# Altium PCB iMX53_BB_PCB_V1I2.PcbDoc (part 2 of 9)
Units mm, origin at the board's own origin, x right, y up, seen from the top; angles counter-clockwise.
Board outline 165 x 100.5 mm, 6 copper layers (Top, GND, SignalH, SignalV, Power, Bottom); 582 components, 590 nets, 2473 pads, 1817 vias.
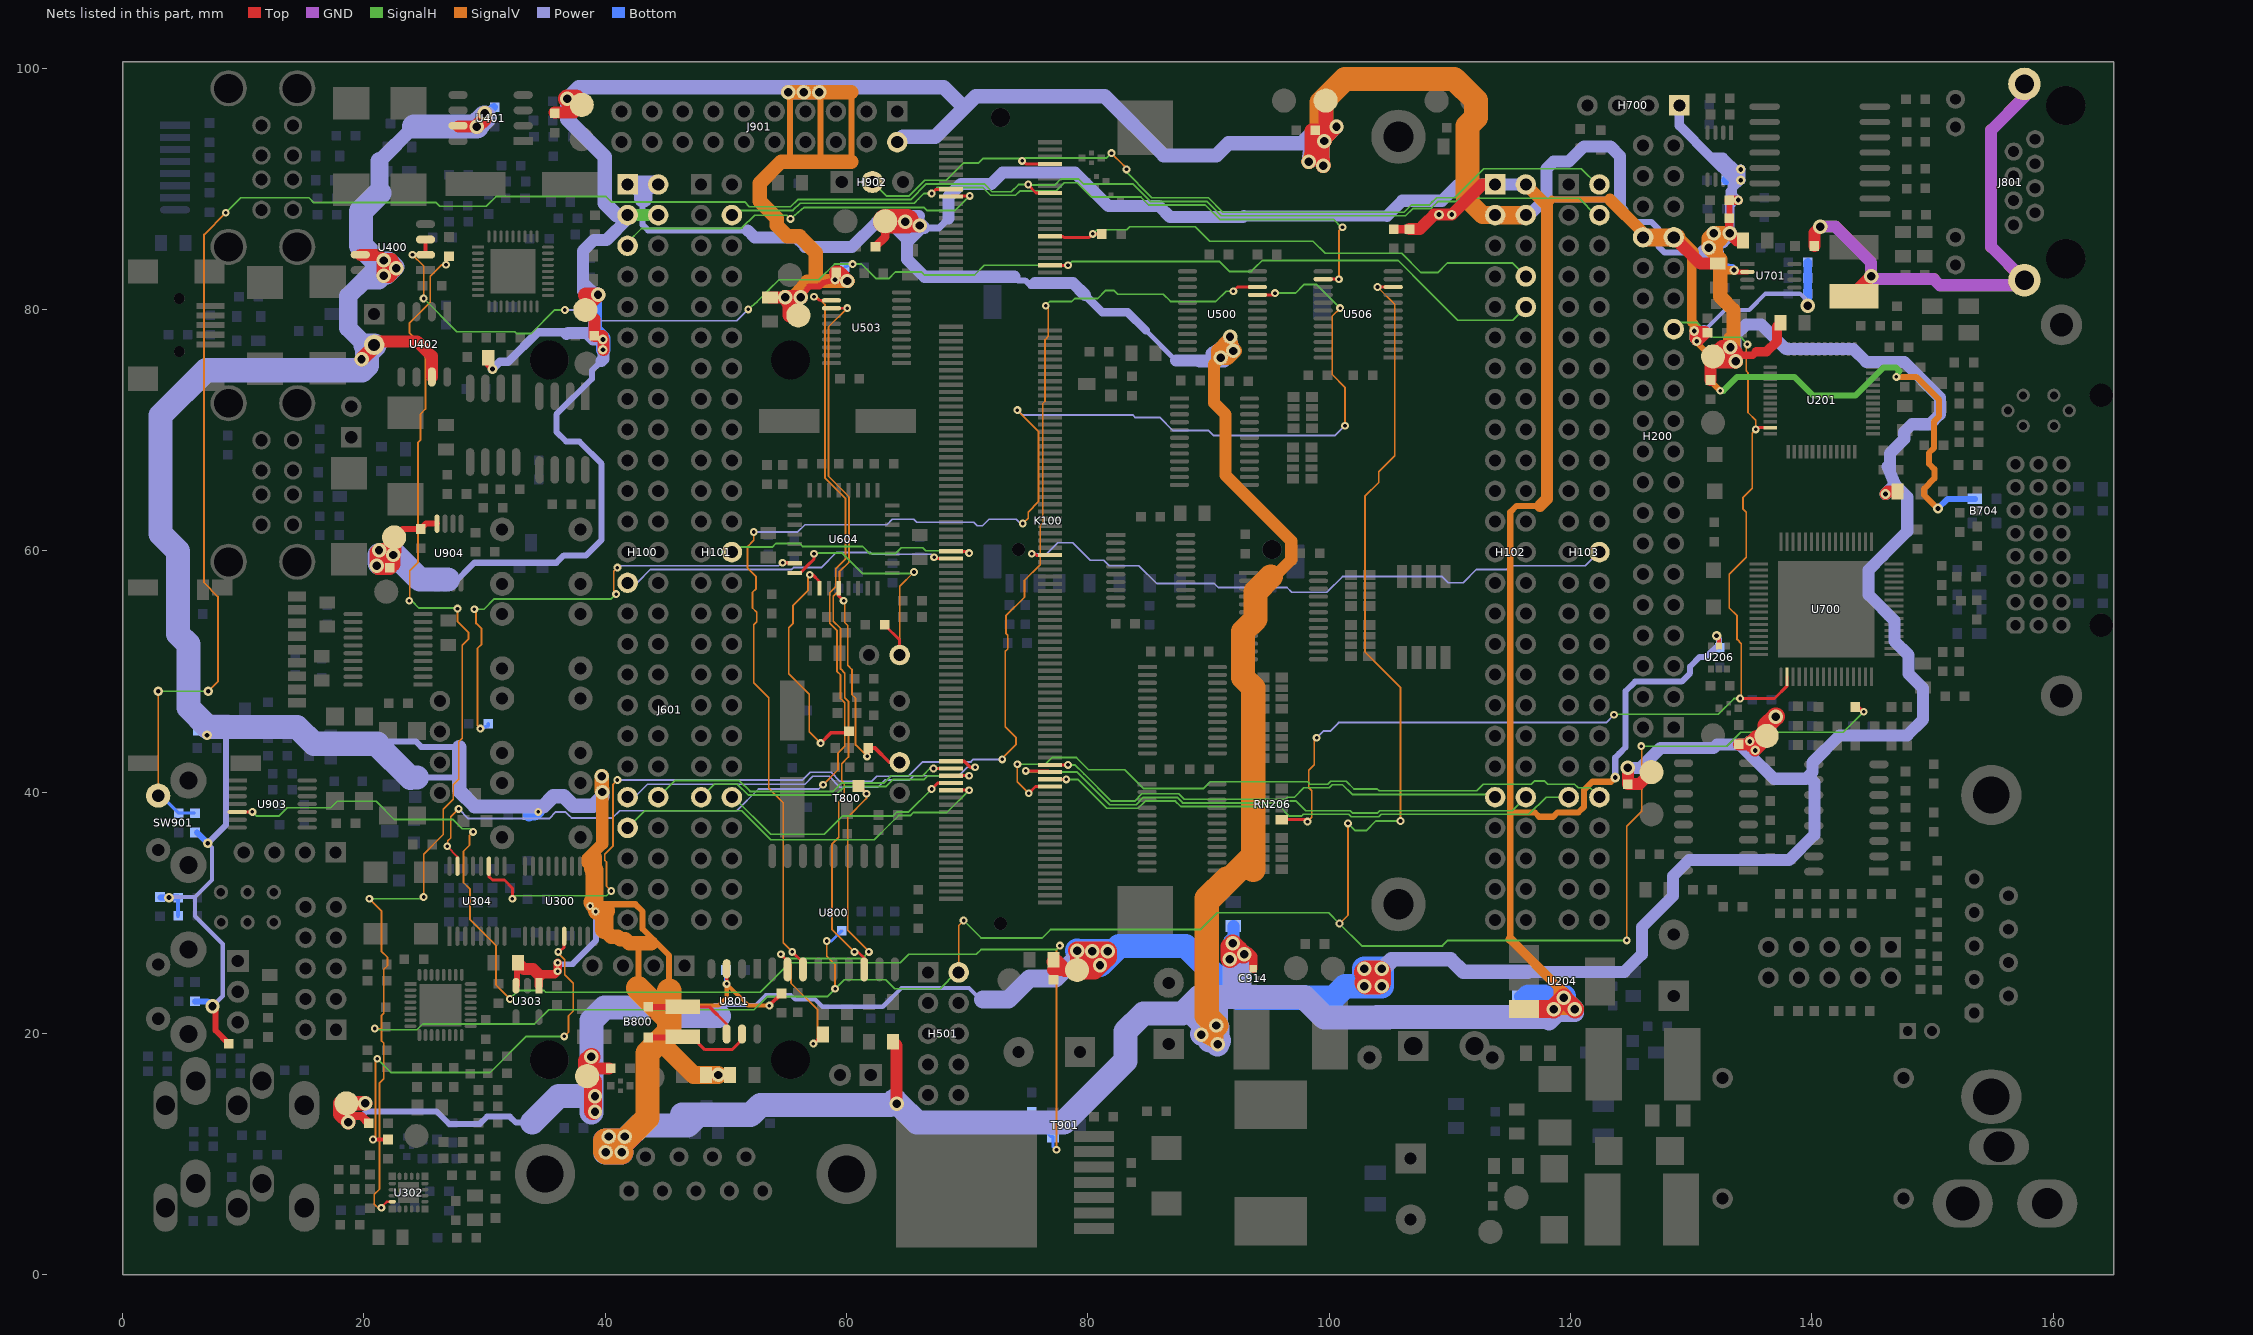
[diagram p6: the nets of this part, all layers, seen from the top]

## Footprints (in the part's own frame and the unit in brackets; to place one, negate y for a bottom-side part, rotate by r counter-clockwise, add the part's x,y. Pads: shape width x height; smd on the part's side, far side on the other; paste and mask are expansions set on the pad) (continued)
TESTPOINT_2mm#1 [mm]
  round 2 smd paste-1: 1(0,0)
  silkscreen extent -1.2,-1.2 1.2,1.2
TESTPOINT_2mm#2 [mm]
  round 2 smd: 1(0,0)
  silkscreen extent -1.2,-1.2 1.2,1.2
TO263_7 [mil]
  rect 36x130 smd: 1(-150,-240) 2(-100,-240) 3(-50,-240) 4(0,-240) 5(50,-240) 6(100,-240) 7(150,-240)
  rect 425x460 smd: 8(0,176.09)
  silkscreen extent -200,-108 200,429
TQFP64 [mm]
  oval 1.55x0.25 smd: 1(-5.6,3.75)
  rect 1.55x0.25 smd: 2(-5.6,3.25) 3(-5.6,2.75) 4(-5.6,2.25) 5(-5.6,1.75) 6(-5.6,1.25) 7(-5.6,0.75) 8(-5.6,0.25) 9(-5.6,-0.25) 10(-5.6,-0.75) 11(-5.6,-1.25) 12(-5.6,-1.75) 13(-5.6,-2.25) 14(-5.6,-2.75) 15(-5.6,-3.25) 16(-5.6,-3.75) 33(5.6,-3.75) 34(5.6,-3.25) 35(5.6,-2.75) 36(5.6,-2.25) 37(5.6,-1.75) 38(5.6,-1.25) 39(5.6,-0.75) 40(5.6,-0.25) 41(5.6,0.25) 42(5.6,0.75) 43(5.6,1.25) 44(5.6,1.75) 45(5.6,2.25) 46(5.6,2.75) 47(5.6,3.25) 48(5.6,3.75)
  rect 0.25x1.55 smd: 17(-3.75,-5.6) 18(-3.25,-5.6) 19(-2.75,-5.6) 20(-2.25,-5.6) 21(-1.75,-5.6) 22(-1.25,-5.6) 23(-0.75,-5.6) 24(-0.25,-5.6) 25(0.25,-5.6) 26(0.75,-5.6) 27(1.25,-5.6) 28(1.75,-5.6) 29(2.25,-5.6) 30(2.75,-5.6) 31(3.25,-5.6) 32(3.75,-5.6) 49(3.75,5.6) 50(3.25,5.6) 51(2.75,5.6) 52(2.25,5.6) 53(1.75,5.6) 54(1.25,5.6) 55(0.75,5.6) 56(0.25,5.6) 57(-0.25,5.6) 58(-0.75,5.6) 59(-1.25,5.6) 60(-1.75,5.6) 61(-2.25,5.6) 62(-2.75,5.6) 63(-3.25,5.6) 64(-3.75,5.6)
  rect 8x8 smd: 65(0,0)
  silkscreen extent -5.6,-5.65 5.6,5.55
TSSOP8 [mm]
  rect 1.2x0.35 smd: 1(0,0)
  oval 1.2x0.35 smd: 2(0,-0.65) 3(0,-1.3) 4(0,-1.95) 5(3.9,-1.95) 6(3.9,-1.3) 7(3.9,-0.65) 8(3.9,0)
  silkscreen extent 0.9,-2.28 3,0.33
TSSOP14 [mm]
  rect 1.6x0.35 smd: 1(0,0)
  oval 1.6x0.35 smd: 2(0,-0.65) 3(0,-1.3) 4(0,-1.95) 5(0,-2.6) 6(0,-3.25) 7(0,-3.9) 8(5.8,-3.9) 9(5.8,-3.25) 10(5.8,-2.6) 11(5.8,-1.95) 12(5.8,-1.3) 13(5.8,-0.65) 14(5.8,0)
  silkscreen extent 1.1,-4.22 4.7,0.33
TSSOP16 [mm]
  rect 1.6x0.35 smd: 1(0,0)
  oval 1.6x0.35 smd: 2(0,-0.65) 3(0,-1.3) 4(0,-1.95) 5(0,-2.6) 6(0,-3.25) 7(0,-3.9) 8(0,-4.55) 9(5.8,-4.55) 10(5.8,-3.9) 11(5.8,-3.25) 12(5.8,-2.6) 13(5.8,-1.95) 14(5.8,-1.3) 15(5.8,-0.65) 16(5.8,0)
  silkscreen extent 1.1,-4.87 4.7,0.33
TSSOP20 [mm]
  rect 1.6x0.35 smd: 1(0,0)
  oval 1.6x0.35 smd: 2(0,-0.65) 3(0,-1.3) 4(0,-1.95) 5(0,-2.6) 6(0,-3.25) 7(0,-3.9) 8(0,-4.55) 9(0,-5.2) 10(0,-5.85) 11(5.8,-5.85) 12(5.8,-5.2) 13(5.8,-4.55) 14(5.8,-3.9) 15(5.8,-3.25) 16(5.8,-2.6) 17(5.8,-1.95) 18(5.8,-1.3) 19(5.8,-0.65) 20(5.8,0)
  silkscreen extent 1.1,-6.18 4.7,0.33
TSSOP24 [mm]
  rect 1.6x0.35 smd: 1(0,0)
  oval 1.6x0.35 smd: 2(0,-0.65) 3(0,-1.3) 4(0,-1.95) 5(0,-2.6) 6(0,-3.25) 7(0,-3.9) 8(0,-4.55) 9(0,-5.2) 10(0,-5.85) 11(0,-6.5) 12(0,-7.15) 13(5.8,-7.15) 14(5.8,-6.5) 15(5.8,-5.85) 16(5.8,-5.2) 17(5.8,-4.55) 18(5.8,-3.9) 19(5.8,-3.25) 20(5.8,-2.6) 21(5.8,-1.95) 22(5.8,-1.3) 23(5.8,-0.65) 24(5.8,0)
  silkscreen extent 1.1,-7.47 4.7,0.33
USB-2A [mm]
  round 1.524 hole 1: 1(0,0) 2(-2.5,0) 3(-4.5,0) 4(-7,0) 5(0,-2.62) 6(-2.5,-2.62) 7(-4.5,-2.62) 8(-7,-2.62)
  round 3 hole 2.4: 9(-10.07,2.71) 10(3.07,2.71) 11(-10.07,-2.97) 12(3.07,-2.97)
  silkscreen extent -10.07,-4.69 3.13,13.04
USD10 [mm]
  rect 0.8x1.5 smd: 1(0,0) 2(1.1,0) 3(2.2,0) 4(3.3,0) 5(4.4,0) 6(5.5,0) 7(6.6,0) 8(7.7,0) 9(8.8,0)
  rect 1.7x1 smd: 10(9.35,7.8)
  rect 1.3x1.7 smd: 11(9.55,6.2)
  rect 1.3x2.5 smd: 12(-5.01,4.25) 13(9.55,12.75) 14(-5.01,12.75)
  silkscreen extent -4.88,-0.45 9.42,16.05
uSOP8 [mil]
  rect 60x16 smd: 1(-96,39)
  oval 60x16 smd: 2(-96,13) 3(-96,-13) 4(-96,-39) 5(96,-39) 6(96,-13) 7(96,13) 8(96,39)
  silkscreen extent -51,-52 51,52

## Part data
B800: library part B82790S
B900: library part BATT3V
C100 C101 C102 C338 C714 C806 C914: library part NFL21S, "Chip EMIFIL"
C103 C104 C105 C106 C107 C108 C109 C110 C111 C200 C201 C202 C203 C204 C205 C206 C207 C208 C209 C210 C211 C212 C213 C214 C215 C216 C217 C218 C219 C220 C221 C224 C225 C226 C300 C301 C302 C303 C304 C305 C306 C307 C308 C309 C310 C311 C312 C313 C314 C315 C316 C317 C318 C319 C320 C321 C322 C323 C324 C325 C326 C327 C328 C329 C330 C331 C333 C334 C335 C336 C337 C340 C402 C403 C408 C409 C410 C411 C412 C413 C414 C415 C417 C419 C420 C421 C422 C423 C424 C500 C501 C502 C503 C504 C505 C506 C507 C508 C509 C512 C513 C514 C515 C516 C517 C518 C519 C520 C521 C522 C523 C524 C525 C526 C527 C600 C601 C602 C603 C604 C605 C606 C607 C608 C609 C610 C611 C612 C613 C614 C615 C616 C618 C619 C620 C621 C622 C623 C624 C625 C626 C627 C628 C629 C630 C631 C632 C633 C634 C635 C636 C637 C700 C701 C702 C703 C704 C705 C706 C707 C708 C709 C710 C711 C712 C713 C715 C800 C801 C802 C803 C804 C805 C807 C808 C809 C904 C905 C906 C907 C908 C909 C910 C911 C912 C913 C915 C916 C917 C918 C920 C921 C922 C924 C925 C926 C927 C928: library part C
C222 C223 C400 C401 C404 C405 C406 C407 C900 C901 C902 C903 C919 C923: library part C+
D900 D901: library part D
D903: library part SHD
H401 H801: library part H2
H902: library part H3
J901: library part ARMICE20
L200 L202 L203 L204 L205 L206 L300 L301 L302 L303 L304 L305 L306 L308 L309 L310 L400 L401 L402 L403 L404 L405 L406 L407 L408 L409 L500 L501 L502 L503 L504 L505 L506 L507 L508 L509 L700 L701 L702 L703 L704 L705 L706 L800 L801 L802 L900 L902 L904 L908: library part FBEAD
L311 L312 L901: library part L
L903 L906 L907: "5A EMI ferit L"
L905: library part 42H17, "Current compensated choke 2x10mH/700mA"
L909: library part DLW5BSN152SQ2L, "EMI Suppression filter 1A"
R100 R101 R102 R200 R201 R202 R203 R204 R205 R206 R207 R208 R209 R210 R211 R212 R213 R214 R215 R300 R301 R302 R303 R304 R305 R306 R307 R308 R309 R310 R311 R312 R313 R314 R315 R316 R317 R318 R319 R320 R321 R322 R400 R401 R402 R403 R404 R405 R406 R407 R408 R409 R410 R411 R412 R413 R414 R415 R416 R417 R418 R419 R500 R501 R600 R601 R602 R603 R604 R605 R606 R607 R608 R609 R610 R611 R612 R613 R614 R615 R616 R617 R618 R619 R620 R621 R622 R623 R624 R625 R626 R627 R631 R632 R700 R701 R702 R703 R704 R705 R706 R707 R708 R709 R710 R711 R712 R713 R714 R715 R716 R717 R718 R719 R720 R722 R723 R724 R725 R726 R727 R728 R800 R801 R802 R803 R804 R805 R806 R807 R808 R809 R810 R811 R812 R813 R814 R815 R816 R817 R818 R819 R820 R900 R901 R902 R902P R903 R904 R905 R906 R907 R908 R909 R912: library part R
RN200 RN201 RN202 RN203 RN204 RN205 RN206 RN207: library part RN4
SW900 SW901 SW902 SW903 SW904 SW905: library part PBSW
TP100 TP101 TP102 TP103 TP104 TP105 TP200 TP201 TP300 TP301 TP400 TP401 TP500 TP501 TP502 TP503 TP600 TP601 TP602 TP603 TP604 TP605 TP700 TP701 TP800 TP801 TP900 TP901 TP902 TP903: "Testpoint pad"
U201: library part ADV7125
U202: library part SFH5110
U302: library part Si470x
U303: library part LP2980
U400 U401 U402: library part MIC2026
X400 X600 X800 X900 X901: library part XTAL
Y300: library part OSC
ZD900: library part ZD

## Free pads (board coordinates)
  round 4.5 hole 2.5: 0(105.734,94.302) 1(105.734,30.702)

## Via types
v1: diameter 0.65, hole 0.3, Top to Bottom, tented both sides, 1294 vias
v2: diameter 0.8, hole 0.4, Top to Bottom, tented both sides, 303 vias
v3: diameter 1.2, hole 0.7, Top to Bottom, tented both sides, 213 vias
v4: diameter 0.65, hole 0.3, Top to Bottom, 4 vias
v5: diameter 0.8, hole 0.4, Top to Bottom, 1 vias
v6: diameter 1.27, hole 0.711, Top to Bottom, tented both sides, 1 vias
v7: diameter 1.2, hole 0.7, Top to Bottom, 1 vias

## Nets (pads, with @x,y where several pads share a name; then routed paths per layer and width w, separated by ;. In a path a pad name is that pad's centre, name@x,y a point inside that pad or via, vN(x,y) a via of type N, cw(c..) or ccw(c..) an arc to the next point about the centre after c; other vN are vias at no path point)
3V3: C103.2 C104.2 C105.2 C106.2 C109.2 C111.2 C706.2 C911.2 H100.3 H100.4 H102.3 H102.4 H700.1 J901.2 R102.2 R200.1 R300.1 R400.1 R500.1 R501.1 R605.1 R607.1 R613.1 R700.1 R716.1 R717.1 R718.1 R800.1 TP105.1 TP200.1 TP300.1 TP400.1 TP500.1 TP502.1 TP600.1 TP602.1 TP604.1 TP700.1 TP800.1 U701.2 U904.8 | length 735
  Top w0.3: v3(22.444,59.644) 22.749,61.046 TP600.1@22.75,61.05 ; R400.1@35.8,96.25 R400.1@35.8,96.3 ; 55.6,81.1 v3@56,81.1 ; v2@59.15,82.198 v2@59.15,82.2 ; 99.7,95.848 TP105.1@99.7,97.3 ; R717.1@132.95,89.05 R717.1@133.15,89.05 v2@133.802,89.05
  Top w0.4: v2(133.55,83.25) 133.7,83.1 U701.2@134.65,83.1
  Top w0.5: TP600.1@22.45,61.05 TP600.1@22.5,61.1 23.2,61.8 C911.2@24.7,61.8 25.138,62.238 U904.8@26.059,62.238 ; C104.2@30.3,76 30.3,75.4 v5(30.65,75.05) ; v3(56.2,81) 56.9,81.9 57.75,81.9 58.05,82.2 v2(59.05,82.45) ; R718.1@133.15,87.55 R717.1@133.15,89.05
  Top w0.6: v3@133.45,76.2 133.7,76.2 135.1,76.2 135.4,76.5
  Top w0.7: v3(18.7,12.65) 19.2,13.15 19.8,13.15 R300.1@20.4,12.55 ; R605.1@22.15,58.6 22.15,59.35 v3(22.444,59.644) 22.75,59.95 TP600.1@22.75,61.05 ; TP800.1@38.5,16.45 TP800.1@39.15,17.1 ; R102.2@98.9,94.8 R102.2@98.95,94.8 ; TP200.1@131.55,76 TP200.1@131.7,76 ; TP200.1@131.6,75.9 TP200.1@131.7,76 ; TP200.1@131.8,76.1 TP200.1@131.7,76 ; R718.1@133.15,87.55 133.15,86.85 v3(133.2,86.3) ; v3(133.25,76.85) 133.3,76.726 133.25,76.702 131.867,76.033 131.839,76.019 131.8,76 TP200.1@131.7,76
  Top w0.8: v2(59.05,82.45) 59,82.9 R613.1@59.15,83.05 ; R717.1@133.15,89.05 v2(133.9,89.05) ; v3(133.25,76.85) 133.25,76.702 133.25,76.4 v3@133.45,76.2 ; 135.4,76.5 136.25,76.5 137.1,77.35 137.1,78.6 C105.2@137.4,78.9
  Top w1: R400.1@35.8,96.3 37.4,96.3 TP400.1@38.05,96.95 ; TP602.1@38.35,79.95 39.1,79.2 R607.1@39.1,77.8 39.75,77.8 39.845,77.515 39.85,77.5 v2@39.85,76.65 ; TP800.1@39.15,17.1 R800.1@40.3,17.1 ; C106.2@53.65,81 v3(54.9,81) ; 77.1,25.25 77.15,25.25 78.1,25.25 TP502.1@79.1,25.25 80.25,26.4 80.35,26.5 v3(80.35,26.8) 80.3,26.85 v3(79.1,26.85) ; v3(124.75,42) R500.1@124.75,40.65 125.7,40.65 TP500.1@126.7,41.65 ; R200.1@131.6,74.15 TP200.1@131.6,75.9 ; v3(133.2,86.3) 133.8,85.7 C103.2@134.3,85.7 ; R700.1@133.95,43.95 134.6,43.95 134.7,44.05 v2(134.85,44.2) v2@134.85,44.1 ; v2@134.751,44.001 v2@134.85,44.1 ; v2(146.1,64.7) 146.3,64.9 C109.2@147.1,64.9 ; v2@134.85,44.1 134.85,43.9 v2(135.3,43.45) 135.45,43.6 136.25,44.4 TP700.1@136.25,44.65 135.4,44.65 134.9,44.15 v2@134.85,44.1
  Top w1.2: v3(18.7,12.65) 18.05,13.3 18.05,14.2 TP300.1@18.55,14.2 v3(20.1,14.2) ; 21.7,59.35 v3@22.15,59.35 ; TP602.1@38.35,79.95 38.35,80.2 38.9,80.75 38.933,80.787 v3(39.4,81.2) 38.4,81.2 38.35,81.15 ; TP604.1@55.3,79.5 55.3,80.35 55.257,80.42 v3(54.9,81) 56,81 v3(56.2,81) ; R613.1@59.15,83.05 59.35,83.05 59.5,82.9 v3(60.05,82.35) ; C111.2@77.15,25.95 77.4,25.95 78.1,25.25 TP502.1@79.1,25.25 v3(79.1,26.85) ; 99.7,95.75 99.746,95.091 99.766,94.8 ; 99.7,95.756 TP105.1@99.7,97.25 ; v3@98.55,92.5 98.597,92.564 v3@99.4,93.656 ; v3@98.55,92.5 v3(98.3,92.25) 99.163,92.642 99.4,92.75 99.443,92.384 v3(99.5,91.9) 99.459,92.355 99.4,93 v3@99.4,93.656 ; v3@98.55,92.5 98.55,93.95 R102.2@98.55,94.8 ; R102.2@98.55,94.8 99.676,94.259 v3@99.699,94.249 ; R102.2@98.55,94.8 99.6,94.8 99.766,94.8 ; v3@99.4,93.656 99.4,93.95 99.5,94.05 v3@99.699,94.249 ; v3@99.4,93.656 v3(99.6,93.95) v3@99.699,94.249 ; v3@99.699,94.249 v3@99.797,94.347 ; 99.766,94.8 99.8,94.8 99.9,94.7 99.9,94.5 v3(100.6,95.15) v3@99.797,94.347 ; 99.766,94.8 99.788,94.468 99.792,94.415 v3@99.797,94.347 ; v3(21.05,58.75) 21.05,59.85 v3(21.25,60.05) 22.038,60.05 v3(22.444,59.644) 22.444,58.894 R605.1@22.15,58.6 21.2,58.6 v3(21.05,58.75) ; TP200.1@131.8,76.1 132.55,76.85 v3(133.25,76.85) 133.7,76.4 133.7,76.2 v3(133.7,75.7) 133.25,75.7 132.2,75.7 131.867,76.033 TP200.1@131.8,76.1
  Top w1.5: v3(36.85,97.45) 37.55,97.45 TP400.1@38.05,96.95 ; v3(38.85,18.05) 38.5,17.7 TP800.1@38.5,16.45 39,15.95 39,14.8 v3@39,13.55 ; TP502.1@79.1,25.2 80.55,25.2 v3(81,25.65) 81.25,25.9 81.65,26.3 v3(81.65,26.8) 81.6,26.85 81,26.85 80.35,26.85 80.3,26.85 v3(79.1,26.85) ; TP700.1@136.25,44.65 136.25,45.5 v3(137,46.25)
  Top w2: v3@103.05,25.05 104.1,25.05 104.1,24.2 v3@103.1,24.2
  SignalH w1: H100.3@41.85,87.81 H100.4@44.39,87.81
  SignalV w0.5: 55.3,92.1 55.3,92.25 v3@55.3,98 ; 55.7,92 55.8,92.1 ; 57.85,92.25 v3@57.85,98 ; 58.3,92.45 58.35,92.5 ; 60.4,92.25 60.4,98
  SignalV w0.7: 132.75,83.25 v2(133.55,83.25)
  SignalV w1.2: v3(54.9,81) 55.648,81 55.88,81.272 56.758,82.303 57.35,82.35 57.45,82.35 ; v3(55.15,98) 55.3,98 v3(56.45,98) v3(57.75,98) 57.85,98 60.4,98 ; v3(60.05,82.35) 59.05,82.35 57.45,82.35 ; 60.4,92.25 57.85,92.25 55.3,92.25 54.6,92.25 52.8,90.45 52.8,88.95 54.2,87.55 54.2,86.95 55.1,86.05 56.1,86.05 57.45,84.7 57.45,82.35 ; 132.028,84.522 132.028,85.1 132.028,85.428 132.375,85.775 ; v3@132.95,86.35 v3@132.9,86.3 ; v3(133.7,75.7) v3@133.5,75.9 ; 98.85,94.464 99.116,94.61 ; 98.85,94.464 98.85,93.95 98.85,93.7 v3(98.3,92.25) 99.163,92.642 99.4,92.75 99.443,92.384 v3(99.5,91.9) 99.459,92.355 99.4,93 99.4,93.95 99.5,94.05 v3@99.683,94.233 ; 98.85,94.464 98.85,94.769 ; 98.85,94.464 99.64,94.244 99.679,94.234 v3@99.683,94.233 ; 98.85,94.769 98.85,94.901 98.8,94.8 98.85,94.769 ; 98.85,94.769 99.116,94.61 ; 99.116,94.61 99.21,94.662 99.273,94.696 99.469,94.804 99.511,94.827 99.729,94.946 99.816,94.767 99.948,94.498 v3@99.706,94.256 ; 99.116,94.61 99.697,94.262 v3@99.706,94.256 ; v3@99.683,94.233 v3(99.6,93.95) v3@99.706,94.256 ; v3@99.683,94.233 v3@99.706,94.256 ; v3(131.85,86.3) 131.45,85.9 v3(131.45,85.1) 132.4,84.15 132.4,81.05 133.5,79.95 133.5,77.8 ; v3(131.85,86.3) 132.25,85.9 132.375,85.775 ; v3(131.85,86.3) v3@132.9,86.3 ; 132.375,85.775 132.4,85.75 132.4,85.8 ; 132.375,85.775 132.4,85.8 ; 132.4,85.8 132.4,86.1 v3@132.8,86.2 ; 132.4,85.8 v3@132.8,86.2 ; v3@132.8,86.2 v3@132.9,86.3 ; v3@132.8,86.2 v3(133.2,86.3) v3@132.9,86.3 ; v3@133.5,75.9 133.5,76.85 133.5,77.8 ; v3@133.5,75.9 133.25,76.15 v3(133.25,76.85) 133.25,77.55 133.5,77.8
  SignalV w1.5: 111.45,89.35 111.45,89.05 112.69,87.81 H102.3@113.75,87.81 113.76,87.8 H102.4@116.25,87.8
  SignalV w2: 99.35,95.401 99.35,97.15 101.3,99.1 110.35,99.1 112.15,97.3 112.15,95.9 111.45,95.2 111.45,89.35
  Power w0.35: 49.05,22.35 52.5,22.35 53.3,23.15 55.4,23.15 55.75,22.8 57.4,22.8 58,22.2 63,22.2 64.55,23.75 70.15,23.75 70.85,23.05 ; v3(55.15,98) 55.8,97.85 ; 133.55,90.7 v2@133.9,90.7 ; 139.4,41.15 139.45,41.1 ; v3@38.598,17.902 38.65,17.85 38.738,17.762 v3(38.85,18.05) v3@38.598,17.902
  Power w0.5: v3(18.7,12.65) 19.2,13.15 19.8,13.15 20.175,13.525 26.025,13.525 27.05,12.5 29.6,12.5 30.2,13.1 32.1,13.1 32.6,12.6 33.95,12.6 ; 24.888,57.2 27.35,57.2 ; 26.95,57.6 27.35,57.2 ; 39.45,75.5 38.9,74.95 38.9,74.25 35.95,71.3 35.95,69.85 36.75,69.05 37.85,69.05 39.7,67.2 39.7,60.9 38.417,59.617 36.567,59.617 35.95,59 29.15,59 27.35,57.2 ; H100.3@41.59,87.81 H100.3@41.85,87.81 ; 117.85,89.1 123.35,89.1 124.1,88.35 125.2,87.25 126.7,87.25 127.3,86.65 127.3,85.2 127.8,84.7 131,84.7 ; 131.9,85.6 132.153,85.736 132.216,85.77 132.231,85.778 v3(133.2,86.3)
  Power w0.7: v5(30.65,75.05) 31.25,75.65 31.95,75.65 34.4,78.1 36.65,78.1 36.8,77.95 ; v2(133.9,89.05) 133.676,89.05 133.2,88.574 133.2,89.05 133.2,89.8 133.4,90 v2(134.1,90.7)
  Power w0.8: H700.1@129.01,96.9 129.01,95.24 131.65,92.6 ; v3(133.2,86.3) 133.2,88.574 ; 133.55,90.7 131.65,92.6 ; v2@133.802,89.05 133.4,89.452 133.4,90 133.4,90.2 133.55,90.35 v2@133.9,90.7 ; v2(134.1,90.7) v2(134.1,91.6) ; 134.1,91.15 133.875,91.375 132.65,92.6 131.65,92.6
  Power w1: 36.8,77.95 36.9,78.05 38.45,78.05 39,77.5 v2(39.8,77.5) 39.85,77.5 39.85,76.65 39.85,75.9 39.675,75.725 ; H100.3@41.85,87.81 41.85,87.5 40.1,85.75 39.05,85.75 38.15,84.85 38.15,82.2 ; 115.95,25.1 124.45,25.1 125.9,26.55 125.9,28.8 128.5,31.4 128.5,33.05 129.8,34.35 138.1,34.35 140.2,36.45 140.2,40.788 139.694,41.294 ; H102.4@116.29,87.81 116.56,87.81 117.85,89.1 118,89.25 118,91.65 118.6,92.25 119.85,92.25 121.1,93.5 123.3,93.5 124.1,92.7 124.1,88.35 124.34,88.11 ; v3(124.75,42) 125.8,42 127.197,43.397 127.45,43.65 131.85,43.65 132.15,43.95 134,43.95 ; v3(133.25,76.85) 133.35,77.55 133.65,77.85 ; v3(133.7,75.7) 133.65,75.75 133.65,76.85 133.65,77.85 ; v2@134.802,43.95 134,43.95 ; v2(134.85,44.2) 135.3,43.75 v2(135.3,43.45) ; v2(146.1,64.7) 146.85,65.45 146.9,65.45 ; 146.27,66.97 146.466,66.497 ; 38.15,82.2 38.65,81.7 v3@39.175,81.35 ; 38.15,82.2 38.15,81.5 38.3,81.35 v3@39.175,81.35 ; v3@39.175,81.35 39.25,81.35 v3(39.4,81.2) v3@39.175,81.35 ; 133.65,77.85 134.55,78.75 135.8,78.75 137.85,76.7 143.45,76.7 144.5,75.65 147.65,75.65 150.6,72.7 150.6,71.3 149.78,70.48 148.28,70.48 147.65,69.85 147.65,69.25 146.466,68.066 146.466,66.497 ; 134,43.95 134.3,43.65 134.9,43.05 136.85,41.1 139.45,41.1 139.5,41.1 139.694,41.294 ; 139.694,41.294 140.05,41.65 140.05,42.45 142.3,44.7 147.9,44.7 149.2,46 149.2,48.6 148,49.8 148,51.35 146.85,52.5 146.85,54.2 144.7,56.35 144.7,58.4 145.874,59.574 147.9,61.6 147.9,64.45 146.9,65.45 ; 146.466,66.497 146.9,65.45
  Power w1.2: H100.3@41.85,87.81 40.94,87.81 39.95,88.8 39.95,92.65 36.85,95.75 v3(36.85,97.45) 37.8,98.4 55.15,98.4 56.45,98.4 57.75,98.4 68.049,98.4 69.749,96.699 ; v3(55.15,98) v3(56.45,98) v3(57.75,98) ; J901.2@64.2,93.86 64.64,94.3 67.35,94.3 69.749,96.699 ; v3(100.6,95.15) 99.964,94.514 ; 116.45,25.1 111.1,25.1 110.05,26.15 105.35,26.15 ; 131.9,85.6 v3@131.74,85.44 ; 133.25,76.15 v3(133.25,76.85) ; 69.749,96.699 70.7,97.65 81.4,97.65 86.3,92.75 90.65,92.75 91.65,93.75 97.699,93.75 98.642,94.693 ; 98.59,94.322 99.612,94.219 99.627,94.217 v3@99.664,94.214 ; 98.59,94.322 98.586,94.295 98.579,94.243 98.558,94.096 v3(98.3,92.25) 99.163,92.642 99.4,92.75 99.443,92.384 v3(99.5,91.9) 99.459,92.355 99.4,93 99.4,93.95 99.5,94.05 v3@99.664,94.214 ; 98.59,94.322 98.787,94.428 ; 98.59,94.322 98.611,94.468 ; 98.611,94.468 98.787,94.428 ; 98.611,94.468 98.694,94.699 98.719,94.77 98.642,94.693 ; 98.611,94.468 98.642,94.693 ; 98.642,94.693 98.65,94.75 98.75,94.85 98.819,94.814 99.165,94.632 ; 98.787,94.428 99.631,94.238 99.663,94.231 v3@99.678,94.228 ; 98.787,94.428 99.165,94.632 ; 99.165,94.632 99.217,94.66 99.279,94.694 99.476,94.8 99.518,94.823 99.752,94.949 99.836,94.777 99.964,94.514 ; 99.165,94.632 99.725,94.339 v3@99.767,94.317 ; v3@99.664,94.214 v3(99.6,93.95) v3@99.678,94.228 ; v3@99.664,94.214 v3@99.678,94.228 ; v3@99.678,94.228 v3@99.767,94.317 ; v3@99.767,94.317 99.964,94.514 ; 103.65,23.9 v3(102.9,23.9) v3(102.9,25.35) 103.65,25.35 ; 103.65,23.9 v3(104.35,23.9) 104.35,25.15 104.45,25.25 105.35,26.15 ; 103.65,23.9 103.65,25.35 ; 103.65,25.35 v3(104.35,25.35) 105.15,26.15 105.35,26.15 ; v3@131.74,85.44 131.74,86.19 v3(131.85,86.3) v3(133.2,86.3) 132.55,85.65 132.25,85.5 v3(131.45,85.1) 132.1,84.7 131.45,84.7 131,84.7 131.425,85.125 v3@131.74,85.44
  Power w1.5: 71.3,22.8 73.4,22.8 75.15,24.55 77.3,24.55 78.95,26.2 79.1,26.2 79.3,26.2 ; 79.95,26.2 79.3,26.2 ; H102.3@113.75,87.81 H102.4@116.29,87.81 ; 79.3,26.2 79.525,25.975 79.85,25.65 80.35,25.65 v3(81,25.65) 81.25,25.9 81.65,26.3 v3(81.65,26.8) 81.6,26.85 81,26.85 80.35,26.85 v3(79.1,26.85) 79.1,26.8 79.1,26.4 79.3,26.2
  Power w2: v3@21.3,59 21.3,59.644 21.3,59.65 22.444,59.65 22.6,59.65 24.65,57.6 26.95,57.6 ; 33.95,12.6 36.15,14.8 v3@38.85,14.8 ; v3@38.85,13.45 38.85,13.5 v3@38.85,14.8 ; 49.4,21.45 45.25,21.45 44.55,22.15 39.95,22.15 38.85,21.05 v3(38.85,18.05) v3@38.85,14.8
  Bottom w0.7: C706.2@132.75,83.4 133.4,83.4 v2(133.55,83.25)
  Bottom w0.8: R716.1@132.9,90.7 v2(134.1,90.7)
  Bottom w1.2: v3(39.4,81.2) 39.15,80.95 39.15,78.3 39.85,77.6 39.85,77.5 v2@39.85,76.65
  Bottom w2: v3(79.1,26.85) 79.15,26.8 v3(80.35,26.8) 81,26.8 v3(81.65,26.8) ; v3(81,25.65) 81.25,25.9 81.9,26.55 82.6,27.25 88.1,27.25 90.344,25.006 92.4,22.95 100.35,22.95 101.3,23.9 v3(102.9,23.9) ; v3(102.9,23.9) v3(102.9,25.35) v3(104.35,25.35) v3(104.35,23.9) v3(102.9,23.9)
  other v2: 39.8,76.65
  other v3: 39.15,13.5 39.15,14.8
5V: B704.1 C211.2 C212.2 C215.2 C333.2 C334.2 C415.2 C801.2 C914.3 C924.2 C925.2 C926.2 H100.1 H100.2 H102.1 H102.2 H200.33 H200.34 H400.2 L800.2 L802.2 R100.2 R201.1 R208.1 R209.1 R210.1 R214.1 R403.1 R404.2 R702.2 R713.1 R714.1 R715.1 R802.1 R903.2 R908.2 TP101.1 U204.3 U206.5 U303.1 U303.3 U400.7 U401.7 U402.7 U801.3 | length 862.8
  Top w0.3: v1(50.06,24.098) U801.3@50.06,25.35 ; v1(53.6,22.3) R802.1@54.6,23.3 ; v2@108.724,87.874 v2@108.75,87.9
  Top w0.35: U206.5@132.3,52.1 v2@132.3,52.7
  Top w0.5: v3(7.45,22.25) 7.7,22 7.7,20.25 R214.1@8.8,19.15 R214.1@8.8,19.1 ; U303.3@32.7,23.95 C333.2@32.7,25.7 ; U303.1@34.5,23.95 U303.1@34.5,23.966 ; v3@93.25,26.8 v3@93.3,26.8 ; v2@130.498,78.05 131.3,78.05 R702.2@131.35,78.05
  Top w0.7: U303.1@34.5,23.95 U303.1@34.5,24.55 ; 34.5,24.95 U303.1@34.5,24.55 ; v1(36.05,25.85) v1(36.05,25.15) 35.8,24.9 34.85,24.9 U303.1@34.5,24.55 ; R100.2@62.4,85.2 63.2,86 TP101.1@63.2,87.3 ; v3@93.3,26.8 93.7,26.4 C914.3@93.7,25.35 ; C415.2@105.35,86.65 R403.1@106.65,86.65
  Top w0.8: L800.2@48.35,16.55 v7(49.35,16.55) L802.2@50.35,16.55 ; v2@130.25,77.55 v2(130.25,78.2) 131.15,78.2 131.3,78.05 130.6,77.35 v2(130.45,77.35) v2@130.25,77.55
  Top w1: U400.7@19.7,84.52 21.18,84.52 v3(21.65,84.05) ; H400.2@20.65,77.06 H400.2@20.85,77.06 21.14,77.35 24.4,77.35 25.63,76.12 U402.7@25.63,74.4 ; U401.7@27.85,95.17 v3@29.33,95.17 ; C333.2@32.75,25.85 33.25,25.35 34,25.35 34.4,24.95 ; C926.2@63.85,19.3 64.15,19 v3(64.15,14.15) ; R403.1@106.65,86.65 107.5,86.65 107.9,87.05 108.698,87.848 109.1,87.848 v2(110.15,87.848) ; v2(109.1,87.85) 109.102,87.848 v2(110.15,87.848) ; H102.1@113.75,90.35 112.652,90.35 v2(110.15,87.848) ; H200.33@128.55,85.97 129.57,84.95 129.6,84.95 130.75,83.8 C925.2@132.2,83.8